# Altium PCB PCB.PcbDoc (part 1 of 2)
Units mil, origin at the board's own origin, x right, y up, seen from the top; angles counter-clockwise.
Board outline 3079.44 x 3937.01 mil, 2 copper layers (Top Layer, Bottom Layer); 104 components, 94 nets, 410 pads, 306 vias.
Unrouted connection lines stored in the file: 149.
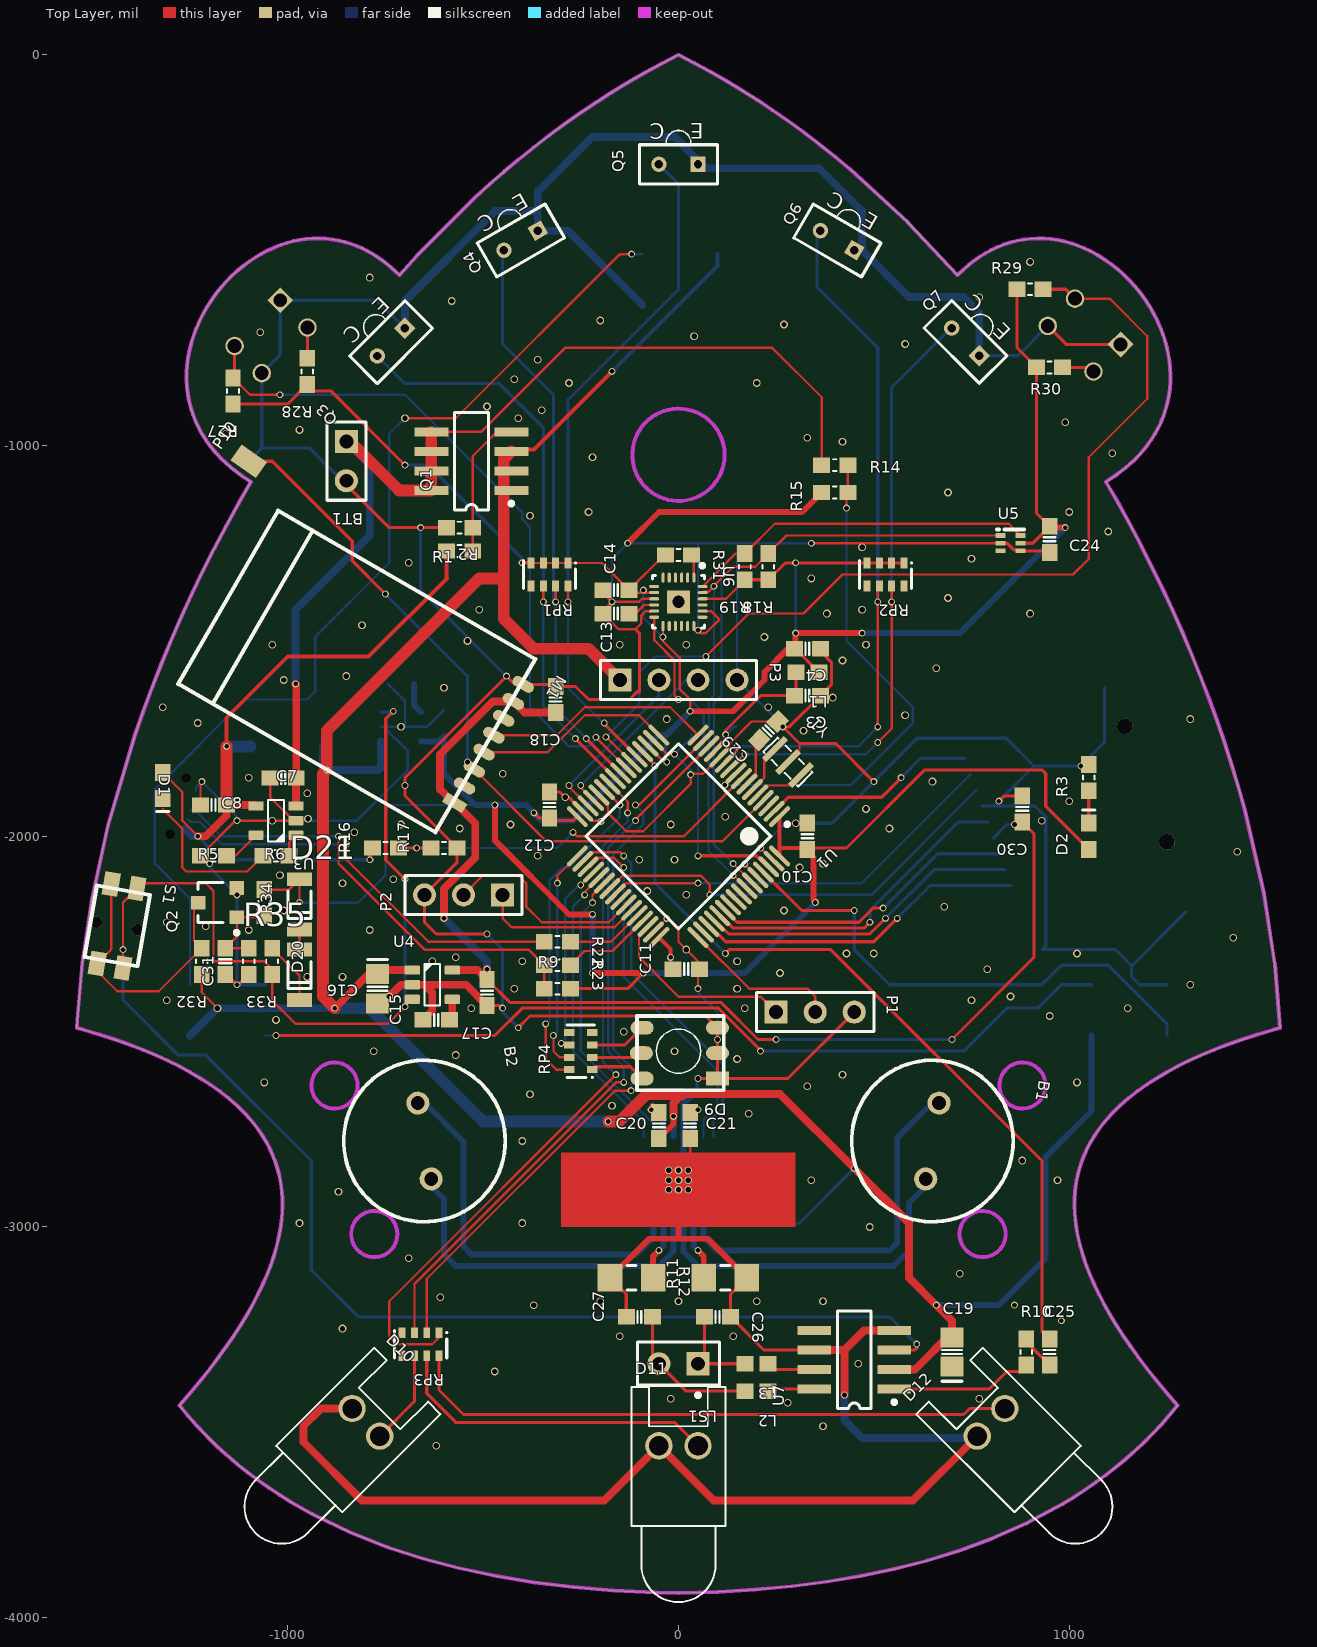
[diagram p0: Top Layer view]
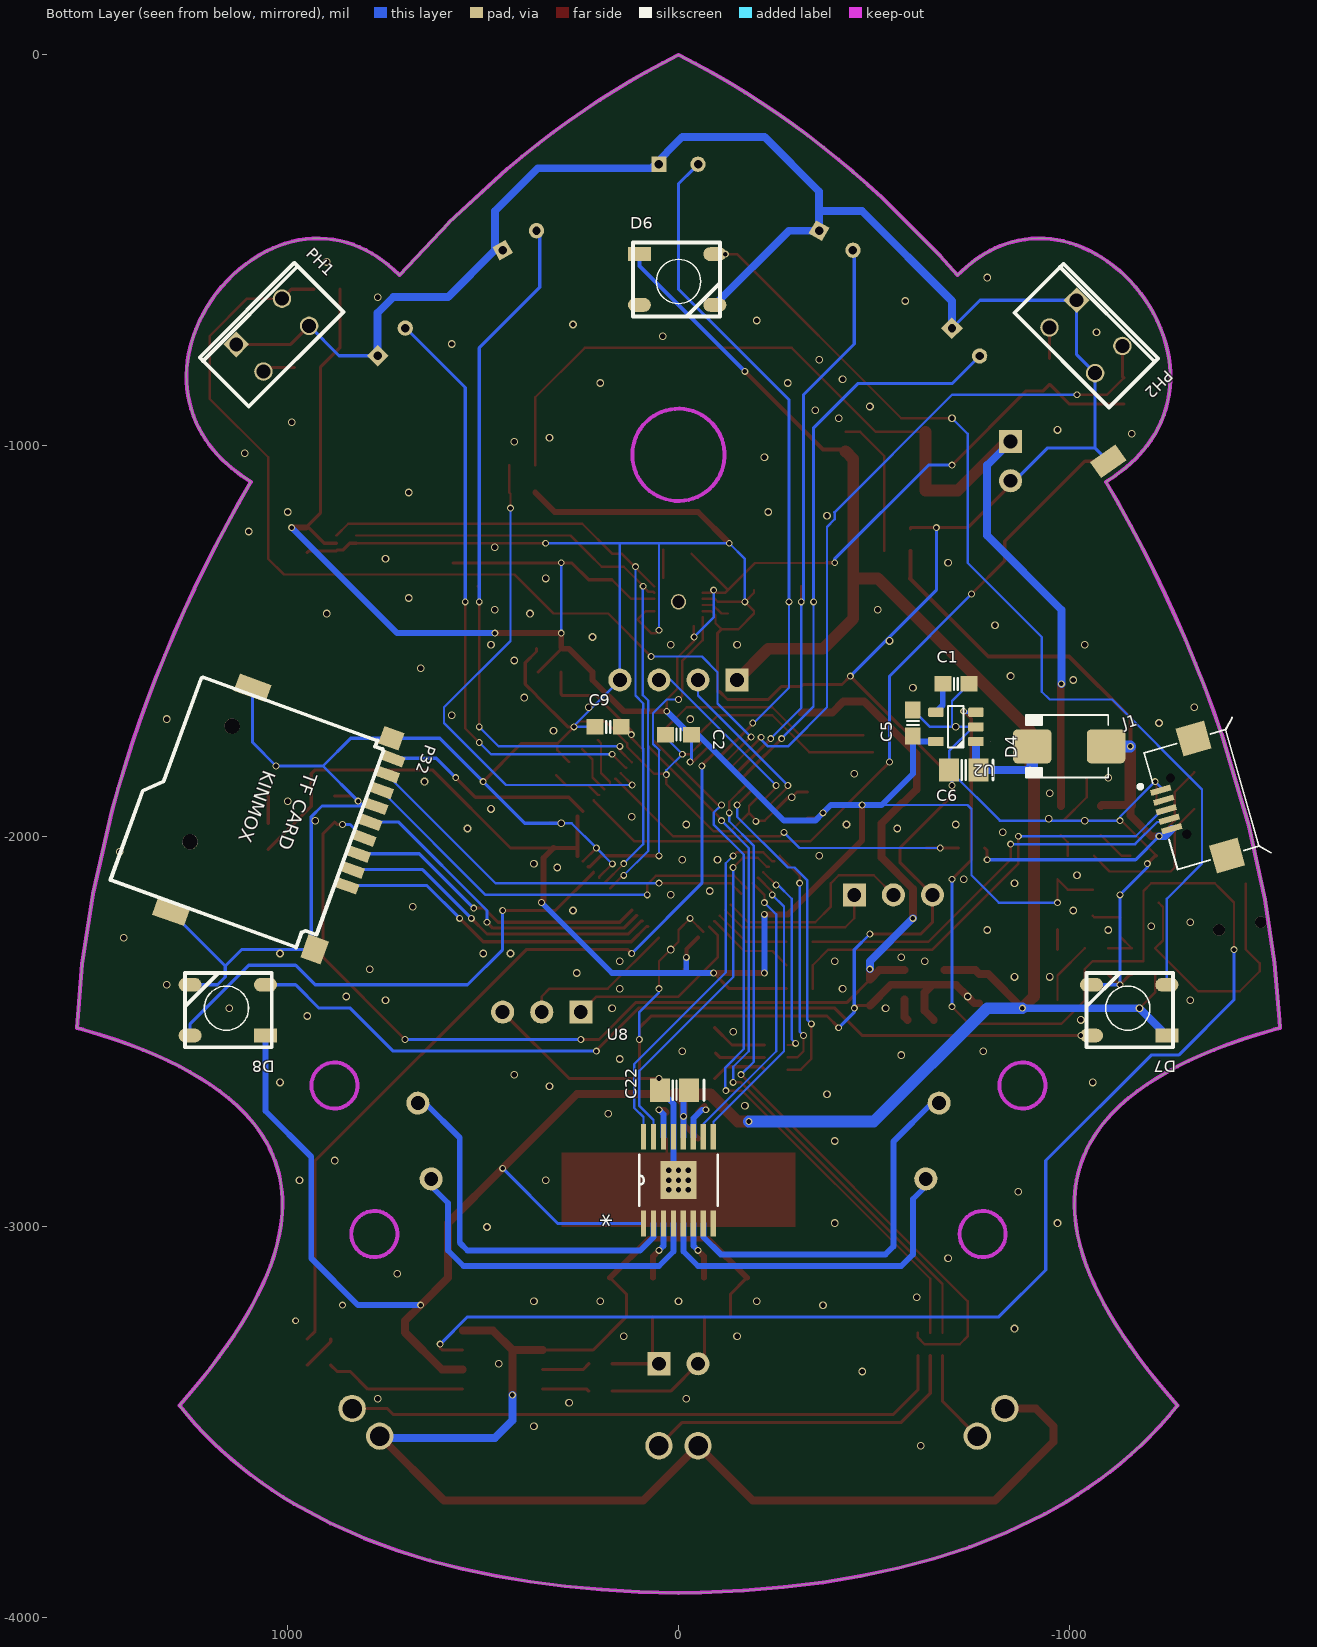
[diagram p1: Bottom Layer view, seen from below]
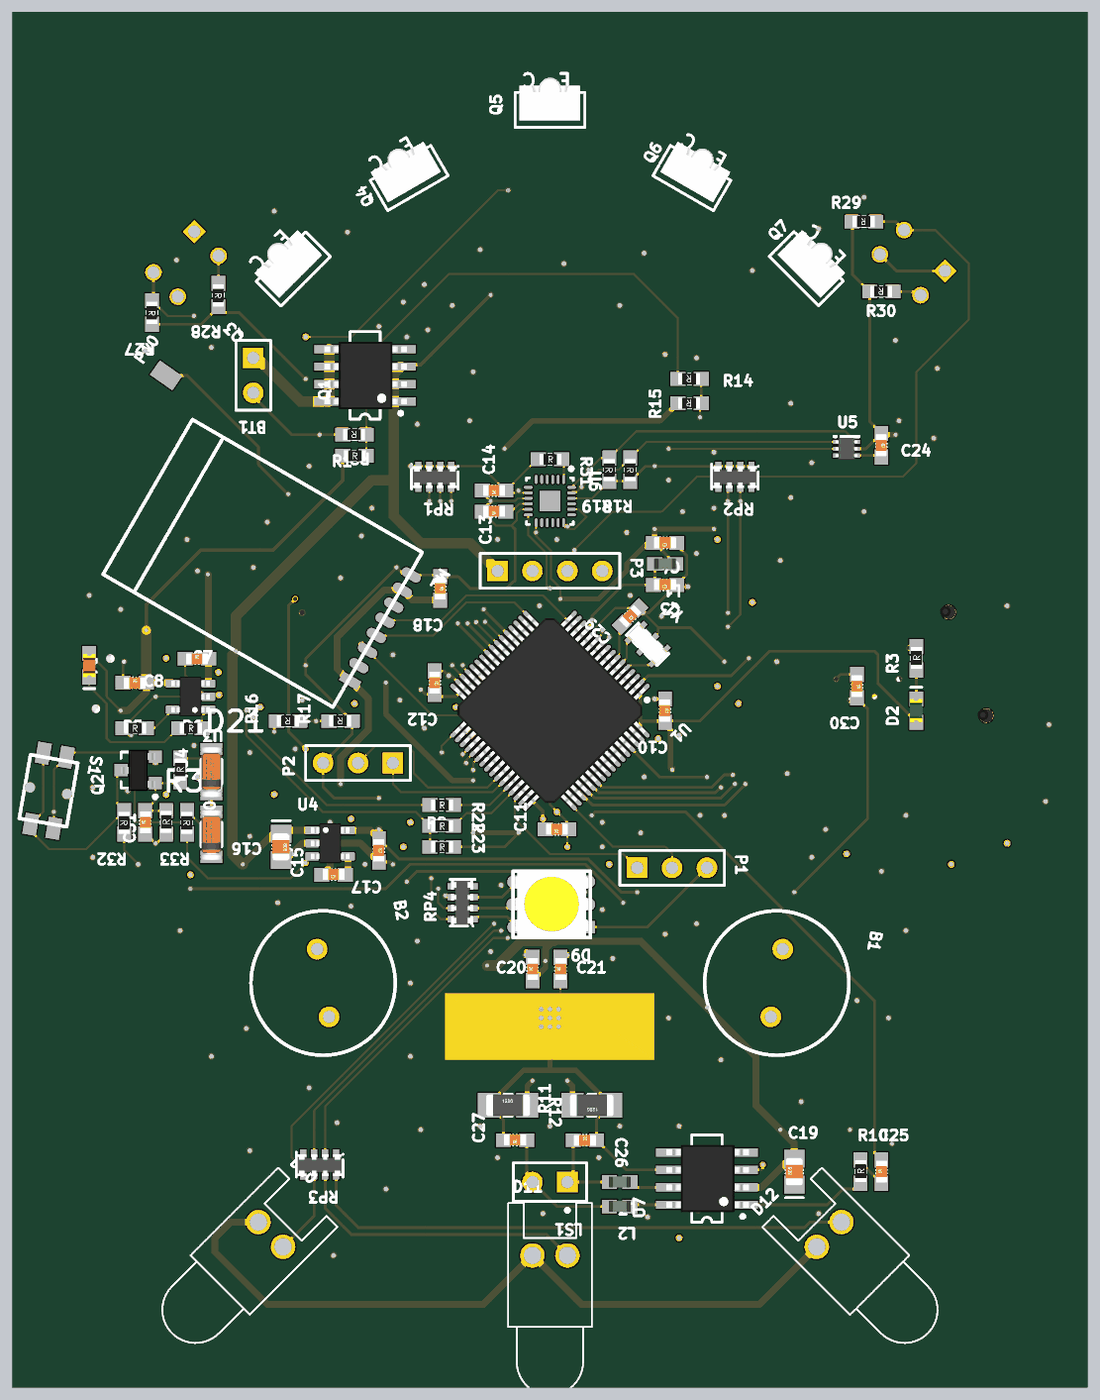
[diagram p3: 3D render of the assembled board from above, using the file's embedded part models]
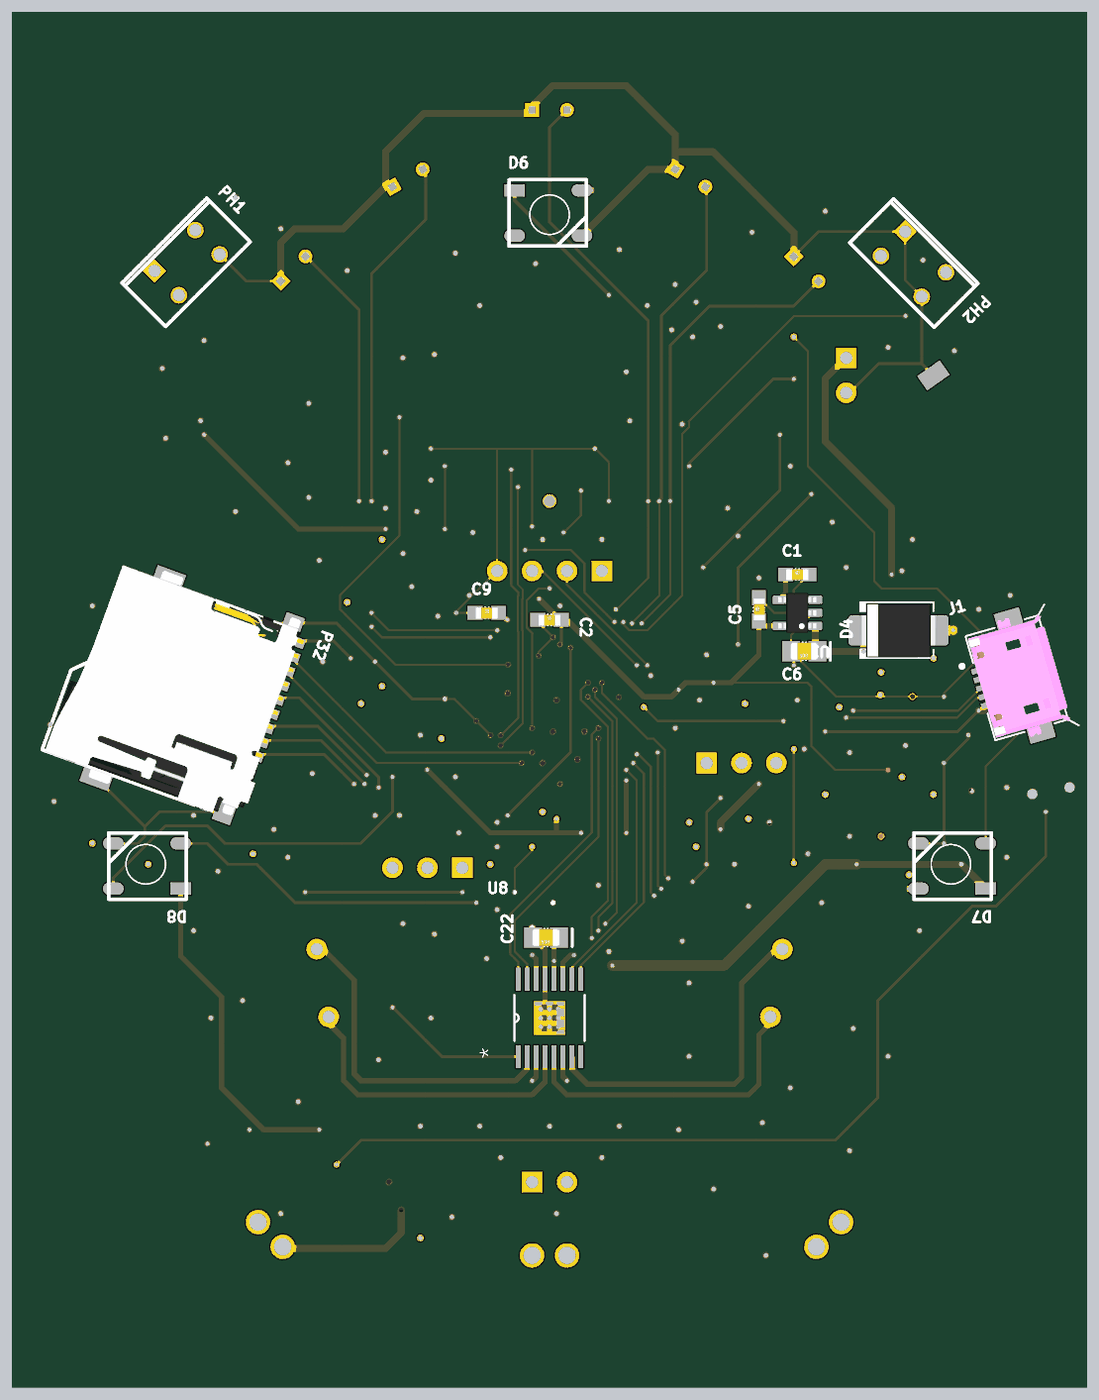
[diagram p4: 3D render of the assembled board from below, using the file's embedded part models]

## Layer stack, top to bottom
Top Solder: solder mask 0.4, Solder Resist, Dk 3.5
Top Layer: signal copper 1.4
Dielectric 1: dielectric 12.6, FR-4, Dk 4.8
Bottom Layer: signal copper 1.4
Bottom Solder: solder mask 0.4, Solder Resist, Dk 3.5

## Board outline
-1277.52,-3456.64 -1247.84,-3422.45 -1222.18,-3391.58 -1198.01,-3361.17 -1176.32,-3332.56 -1155.99,-3304.37 -1137.01,-3276.59 -1119.39,-3249.23 -1103.87,-3223.56 -1089.58,-3198.26 -1076.51,-3173.33 -1064.68,-3148.78 -1053.57,-3123.41 -1043.82,-3098.46 -1035.42,-3073.92 -1028.08,-3048.65 -1021.99,-3022.72 -1017.22,-2995.1 -1014.15,-2964.86 ccw(c-1374.18,-2942.1) -1013.7,-2928.1 ccw(c-1338.06,-2940.37) -1022.62,-2863.86 ccw(c-1332.84,-2940.15) -1063.94,-2767.67 ccw(c-1372.7,-2964.4) -1086.65,-2735.9 -1108.16,-2711.08 -1129.87,-2689.47 -1151.98,-2670.07 -1175.01,-2651.99 -1198.74,-2635.18 -1224.09,-2618.87 -1249.86,-2603.73 -1277.12,-2589.04 -1305.86,-2574.81 -1337.51,-2560.42 -1370.77,-2546.53 -1405.66,-2533.13 -1442.18,-2520.23 -1482.02,-2507.3 -1523.62,-2494.9 -1539.68,-2490.4 -1538.7,-2470.99 -1525.93,-2324.19 -1501.34,-2161.52 -1460.49,-1974.9 -1390.79,-1739.85 cw(c1957.01,-2883.04) -1094.24,-1092.92 -1118.41,-1076.94 -1144.63,-1056.78 cw(c-905.28,-769.66) -1170.6,-1032.96 cw(c-932.67,-796.69) -1198.19,-1001.47 cw(c-971.6,-824.56) -1255.67,-868.65 cw(c-960.61,-824) -1257.57,-794.52 cw(c-928.51,-826.96) -1246.71,-737.03 cw(c-874.05,-845.42) -1127.2,-551.25 cw(c-888.95,-826.53) -1067.58,-509.3 cw(c-907.85,-793.25) -1017.14,-486.34 cw(c-923.85,-738.84) -823.27,-489.15 cw(c-932.23,-757.57) -785.45,-507.81 cw(c-947.23,-783.37) -758.27,-525.69 -735.49,-543.89 -714.1,-563.93 -669.05,-513.94 -520.53,-364.87 cw(c1126.04,-2138.04) -331.81,-206.72 cw(c972.29,-1931.19) 0.04,-0.08 cw(c-956.14,-1902.93) 239.9,-140.94 cw(c-1059.14,-2054.48) 438.68,-292.18 587.93,-429.56 714.18,-563.93 729.69,-549.1 cw(c971.35,-815.66) 754.35,-528.66 cw(c948.89,-785.82) 784.52,-508.41 cw(c923.03,-736.81) 953.93,-471.48 cw(c920.2,-756.96) 1007.55,-483.09 cw(c911.19,-785.55) 1053.06,-501.58 cw(c875.95,-845.02) 1234.61,-701.2 cw(c910.91,-831.13) 1253.69,-766.6 cw(c969.13,-823.4) 1219.23,-970.55 cw(c952.65,-812.49) 1191.51,-1009.96 cw(c927.48,-791.9) 1167.06,-1036.56 1143.67,-1057.64 1119.64,-1076.12 1094.31,-1092.92 cw(c-1980.19,-2894.87) 1359.18,-1650.62 cw(c-1652.89,-2770.86) 1450.14,-1934.95 1498.77,-2147.3 1526.34,-2327.01 1539.76,-2490.4 1523.7,-2494.9 1482.1,-2507.3 1442.26,-2520.23 1405.74,-2533.13 1370.85,-2546.53 1337.58,-2560.42 1305.94,-2574.81 1277.2,-2589.04 1249.94,-2603.73 1224.17,-2618.87 1198.81,-2635.18 1175.08,-2651.99 1152.06,-2670.07 1129.95,-2689.47 1108.23,-2711.08 1086.73,-2735.9 ccw(c1372.78,-2964.4) 1064.02,-2767.67 ccw(c1332.92,-2940.15) 1022.69,-2863.86 ccw(c1338.14,-2940.37) 1013.78,-2928.1 ccw(c1374.25,-2942.1) 1014.23,-2964.86 1017.29,-2995.1 1022.07,-3022.72 1028.16,-3048.65 1035.5,-3073.92 1043.9,-3098.46 1053.65,-3123.41 1064.75,-3148.78 1076.59,-3173.33 1089.65,-3198.26 1103.95,-3223.56 1119.47,-3249.23 1137.09,-3276.59 1156.07,-3304.37 1176.4,-3332.56 1198.08,-3361.17 1222.26,-3391.58 1247.91,-3422.45 1277.6,-3456.64 cw(c461.58,-2798.82) 1094.09,-3634.61 cw(c396.57,-2714.79) 983.79,-3708.66 890.61,-3758.65 803.85,-3797.1 719.88,-3828.17 636.08,-3854.06 551.81,-3875.63 466.11,-3893.56 379.35,-3908.07 290.18,-3919.57 196.97,-3928.3 101.5,-3934.09 0.04,-3937.09 -57.91,-3935.75 -166.12,-3930.5 -269.36,-3921.79 -369.38,-3909.51 -466.03,-3893.56 -560.66,-3873.54 -652.87,-3849.22 -744.91,-3819.45 -838.28,-3782.64 -937.08,-3734.92 cw(c-369.69,-2672.72) -1048.07,-3667.71 cw(c-453.79,-2791.43)

## Design rules (kind name [scope] priority, off if disabled: settings)
Clearance [(InNet('GND') AND InPolygon)] p1: gap=15
Clearance Clearance_1 [All] p2: gap=7
ComponentClearance [All] p1: gap=0 collisioncheckmode=3 verticalgap=0 showdistances=FALSE
DiffPairsRouting [All] p1: maxlimit=10 minlimit=6 mostfreqgap=6 toplayer_minwidth=6 toplayer_maxwidth=15 toplayer_prefwidth=6 bottomlayer_minwidth=6 bottomlayer_maxwidth=15 bottomlayer_prefwidth=6 maxuncoupledlength=500
PolygonConnect PolygonConnect_1 [IsPolygon vs IsVia] p1: connectstyle=Direct reliefconductorwidth=10 reliefentries=4 polygonreliefangle="90 Angle" airgapwidth=10
PolygonConnect [All] p2: connectstyle=Relief reliefconductorwidth=10 reliefentries=4 polygonreliefangle="90 Angle" airgapwidth=10
RoutingVias [All] p1: holewidth=13.78 width=17.72 viastyle="Through Hole" minholewidth=11.81 minwidth=17.72 maxholewidth=28 maxwidth=50
SolderMaskExpansion [All] p1: expansion=4
Width [All] p1: maxlimit=30 minlimit=6 preferedwidth=8
27 further rules are at their usual default settings.

## Classes and differential pairs
component class sch_mcu: C29 C30 J1 P1 P2 P3 P32 R9 R14 R15 R16 R17 R18 R19 R22 R23 U1 Y1
component class sch_output: B1 B2 C19 C20 C21 C22 C25 C26 C27 D6 D7 D8 D9 L2 L3 LS1 R10 R11 R12 RP4 U7 U8
component class sch_power: BT1 C1 C2 C3 C4 C5 C6 C7 C8 C9 C10 C11 C12 C15 C16 C17 C31 D1 D2 D4 D20 D21 L1 Q1 Q2 R1 R2 R3 R5 R6 R32 R33 R34 R35 S1 U2 U3 U4
component class sch_sensor: C13 C14 C18 C24 D10 D11 D12 M1 P10 PH1 PH2 Q3 Q4 Q5 Q6 Q7 R27 R28 R29 R30 R31 RP1 RP2 RP3 U5 U6
differential pair USB: +USB_P -USB_N

## Components (designator, comment, footprint, x,y, rotation, side; value= is the part's Value field where it differs from the comment)
B1 "Motor" RB5-10.5 650,-2780 r260 top
B2 "Motor" RB5-10.5 -650,-2780 r280 top
BT1 "Li-Ion" HDR1X2 -850,-990 r270 top
C1 "Cap Semi" C-1608[0603] -710,-1610 r180 bottom
C2 "Cap Semi" C-1608[0603] 0,-1740 r180 bottom
C3 "Cap Semi" C-1608[0603] 330,-1640 r180 top
C4 "Cap Semi" C-1608[0603] 330,-1520 r180 top
C5 "Cap Semi" C-1608[0603] -600,-1710 r90 bottom
C6 "Cap Semi" C-2012[0805] -730,-1830 r0 bottom
C7 "Cap Semi" C-1608[0603] -1011.67,-1850.99 r0 top
C8 "Cap Semi" C-1608[0603] -1190,-1920 r0 top
C9 "Cap Semi" C-1608[0603] 180,-1720 r180 bottom
C10 "Cap Semi" C-1608[0603] 330,-2000 r270 top
C11 "Cap Semi" C-1608[0603] 20,-2340 r180 top
C12 "Cap Semi" C-1608[0603] -330,-1920 r270 top
C13 "Cap Semi" C-1608[0603] -160,-1430 r180 top
C14 "Cap Semi" C-1608[0603] -160,-1370 r180 top
C15 "Cap Semi" C-1608[0603] -620,-2470 r180 top
C16 "Cap Semi" C-2012[0805] -770,-2390 r270 top
C17 "Cap Semi" C-1608[0603] -490,-2400 r270 top
C18 "Cap Semi" C-1608[0603] -314.25,-1650 r270 top
C19 "Cap Semi" C-2012[0805] 700,-3320 r90 top
C20 "Cap Semi" C-1608[0603] -50,-2740 r90 top
C21 "Cap Semi" C-1608[0603] 30,-2740 r90 top
C22 "Cap Semi" C-2012[0805] 10,-2650 r0 bottom
C24 "Cap Semi" C-1608[0603] 950,-1240 r270 top
C25 "Cap Semi" C-1608[0603] 950,-3320 r90 top
C26 "Cap Semi" C-1608[0603] 100,-3230 r0 top
C27 "Cap Semi" C-1608[0603] -100,-3230 r180 top
C29 "Cap Semi" C-1608[0603] 230,-1730 r225 top
C30 "Cap Semi" C-1608[0603] 880,-1930 r270 top
C31 "Cap Semi" C-1608[0603] -1160,-2320 r90 top
D1 "Charge" LED-1608[0603]-R -1320,-1870 r270 top
D2 "Power" LED-1608[0603]-G 1050,-2000 r90 top
D4 "SS54" DO-214AA -1000,-1770 r0 bottom
D6 "WS2812B" LED-5050-4 100,-510 r180 bottom
D7 "WS2812B" LED-5050-4 -1250,-2510 r0 bottom
D8 "WS2812B" LED-5050-4 1057.09,-2509.92 r0 bottom
D9 "RGB-LED" LED-5050-6 100,-2620 r180 top
D10 "IR Emit" LED-0 -800,-3500 r315 top
D11 "IR Emit" LED-0 0,-3560 r0 top
D12 "IR Emit" LED-0 800,-3500 r45 top
D20 "1N4148" SOD80C -970,-2350 r90 top
D21 "1N4148" SOD80C -970,-2170 r90 top
J1 "USB Micro Type B" "MICRO USB 3D" -1263,-1981 r164 bottom
L1 "Inductor" L-1608[0603] 330,-1580 r180 top
L2 "Inductor" L-1608[0603] 200,-3420 r180 top
L3 "Inductor" L-1608[0603] 200,-3350 r180 top
LS1 "Speaker" PIN2 50,-3350 r180 top
M1 "ESP8266-ESP11" ESP8266-ESP11 -1280,-1610 r330 top
P1 "SWD" HDR1X3 250,-2450 r0 top
P2 "UART1" HDR1X3 -450,-2150 r180 top
P3 "ExpPort" HDR1X4 -150,-1600 r0 top
P10 "ESP_Prog" EDGE_1 -1100,-1040 r145 top
P32 "TF Card" "MicroSD auto" 1090,-1620 r290 bottom
PH1 "Optoisolator1" RPR359F 1100,-900 r135 bottom
PH2 "Optoisolator1" RPR359F -860,-660 r225 bottom
Q1 "AO4409" SOP8-MOS -530,-1040 r90 top
Q2 "SI2302" SOT23B -1180,-2170 r90 top
Q3 "IR_Photo_NPN" PHOTO_NPN -700,-700 r225 top
Q4 "IR_Photo_NPN" PHOTO_NPN -360,-450 r210 top
Q5 "IR_Photo_NPN" PHOTO_NPN 50,-280 r180 top
Q6 "IR_Photo_NPN" PHOTO_NPN 450,-500 r150 top
Q7 "IR_Photo_NPN" PHOTO_NPN 770,-770 r135 top
R1 "Res Semi" R-1608[0603] -560,-1270 r0 top
R2 "Res Semi" R-1608[0603] -560,-1210 r180 top
R3 "Res Semi" R-1608[0603] 1050,-1850 r90 top
R5 "Res Semi" R-1608[0603] -1190,-2050 r0 top
R6 "Res Semi" R-1608[0603] -1030,-2050 r0 top
R9 "Res Semi" R-1608[0603] -310,-2390 r0 top
R10 "Res Semi" R-1608[0603] 890,-3320 r90 top
R11 "Res Semi" R-3216[1206] 120,-3130 r180 top
R12 "Res Semi" R-3216[1206] -120,-3130 r0 top
R14 "Res Semi" R-1608[0603] 400,-1050 r180 top
R15 "Res Semi" R-1608[0603] 400,-1120 r180 top
R16 "Res Semi" R-1608[0603] -750,-2030 r180 top
R17 "Res Semi" R-1608[0603] -600,-2030 r180 top
R18 "Res Semi" R-1608[0603] 230,-1310 r270 top
R19 "Res Semi" R-1608[0603] 170,-1310 r270 top
R22 "Res Semi" R-1608[0603] -310,-2270 r0 top
R23 "Res Semi" R-1608[0603] -310,-2330 r0 top
R27 "Res Semi" R-1608[0603] -1140,-860 r270 top
R28 "Res Semi" R-1608[0603] -950,-810 r270 top
R29 "Res Semi" R-1608[0603] 900,-600 r180 top
R30 "Res Semi" R-1608[0603] 950,-800 r180 top
R31 "Res Semi" R-1608[0603] 0,-1280 r0 top
R32 "Res Semi" R-1608[0603] -1220,-2320 r270 top
R33 "Res Semi" R-1608[0603] -1040,-2320 r270 top
R34 "Res Semi" R-1608[0603] -1060,-2170 r90 top
R35 "Res Semi" R-1608[0603] -1100,-2320 r90 top
RP1 "300" R0603x4 -330,-1330 r180 top
RP2 "300" R0603x4 530,-1330 r180 top
RP3 "200" R0603x4 -660,-3300 r180 top
RP4 "200" R0603x4 -250,-2550 r90 top
S1 "Power" TS-015 -1490,-2220 r260 top locked
U1 "STM32F103RCT6" TQFP64_N-3D 0,-2000 r225 top
U2 "MIC5205-2.5" SOT23-5 -710,-1720 r0 bottom
U3 "MCP73831" SOT23-5 -1030,-1960 r180 top
U4 "MIC5219-3.3" SOT23-5 -630,-2380 r0 top
U5 "TMP102_DRL_6" DRL6 850,-1250 r0 top
U6 "MPU-9250" MPU9250 0,-1400 r270 top locked
U7 "PAM8302" SOP8-3D 450,-3340 r90 top
U8 "DRV8833_PWP_16" PWP16_2P31X2P46 0,-2880 r90 bottom locked
Y1 "8M" Crystal_C 280,-1810 r135 top

## Footprints (in the part's own frame and the unit in brackets; to place one, negate y for a bottom-side part, rotate by r counter-clockwise, add the part's x,y. Pads: shape width x height; smd on the part's side, far side on the other; paste and mask are expansions set on the pad)
C-1608[0603] [mm] "Chip Capacitor; Body 1.6 x 0.8 mm (LxW typ)"
  rect 1.1x1 smd: 1(-0.85,0) 2(0.85,0)
  silkscreen extent -0.13,-0.38 0.13,0.38, body extent -0.8,-0.42 0.8,0.38, height 0.29
C-2012[0805] [mm] "Chip Capacitor; Body 2.0 x 1.2 mm (LxW typ)"
  rect 1.3x1.5 smd: 1(-0.95,0) 2(0.95,0)
  silkscreen extent -1.9,-0.65 0.13,0.65, body extent -1,-0.64 1,0.62, height 0.78
Crystal_C [mm] "含电容晶振，村田 3."
  rect 0.4x2 smd: 1(-1.2,0) 2(0,0) 3(1.2,0)
  silkscreen extent -1.6,-0.65 1.6,0.65, body extent -1.6,-0.63 1.6,0.67, height 0.7
DO-214AA [mm] "JEDEC DO214 variation AA. SMB"
  round 0.508 on Mech15: 0(0,0)
  rrect25% 2.5x2.2 smd: 1(-2.4,0) 2(2.4,0)
  silkscreen extent -2.54,-2.03 2.79,2.03, body extent -2.8,-1.97 2.8,1.98, height 2.62
DRL6 [mm]
  rect 0.654x0.301 smd: 1(-0.65,0.5) 2(-0.65,0) 3(-0.65,-0.5) 4(0.65,-0.5) 5(0.65,0) 6(0.65,0.5)
  silkscreen extent -0.89,0.89 0.89,0.89, body extent -0.8,-0.8 0.8,0.8, height 0.6
EDGE_1 [mm]
  rect 2x1.27 smd: 1(0,0)
  rect 2x1.27 smd far side: 2(0,0)
ESP8266-ESP11 [mil]
  rect 59.06x27.56 smd: 1(765,90)
  oval 59.06x27.56 smd: 2(765,140) 3(765,190) 4(765,240) 5(765,290) 6(765,340) 7(765,390) 8(765,440)
  silkscreen extent -1,0 760,512
HDR1X2 [mm] "Connector; Header; 2 Position"
  rect 1.5x1.5 hole 0.9: 1(0,0)
  round 1.5 hole 0.9: 2(2.54,0)
  silkscreen extent -1.27,-1.27 3.81,1.27
HDR1X3 [mm] "Connector; Header; 3 Position"
  rect 1.5x1.5 hole 0.9: 1(0,0)
  round 1.5 hole 0.9: 2(2.54,0) 3(5.08,0)
  silkscreen extent -1.27,-1.27 6.35,1.27
HDR1X4 [mm] "Connector; Header; 4 Position"
  rect 1.5x1.5 hole 0.9: 1(0,0)
  round 1.5 hole 0.9: 2(2.54,0) 3(5.08,0) 4(7.62,0)
  silkscreen extent -1.27,-1.27 8.89,1.27
L-1608[0603] [mm] "Chip Inductor, Body 1.6x0.8mm, IPC Medium Density"
  rect 1.1x1 smd: 1(-0.75,0) 2(0.75,0)
  body extent -0.8,-0.41 0.8,0.39, height 0.45
LED-0 [mil] "LED; 2 Leads"
  round 70 hole 50: 1(50,0) 2(-50,0)
  silkscreen extent -120,-400 120,150
LED-1608[0603]-G [mm] "Chip Diode; Body 1.6 x 0.8 mm (LxW typ)"
  rect 1.1x1 smd: 1(-0.85,0) 2(0.85,0)
  silkscreen extent 1.7,-0.4 1.7,0.4, body extent -0.85,-0.44 0.85,0.46, height 0.9
LED-1608[0603]-R [mm] "Chip Diode; Body 1.6 x 0.8 mm (LxW typ)"
  rect 1.1x1 smd: 1(-0.85,0) 2(0.85,0)
  silkscreen extent 1.7,-0.4 1.7,0.4, body extent -0.82,-0.44 0.88,0.46, height 0.9
LED-5050-4 [mm]
  rect 1.5x0.9 smd: 1(0,0)
  oval 1.5x0.9 smd: 2(0,-3.3) 3(4.9,-3.3) 4(4.9,0)
  silkscreen extent -0.41,-4.06 5.23,0.76
LED-5050-6 [mm]
  rect 1.5x0.9 smd: 1(0,0)
  oval 1.5x0.9 smd: 2(0,-1.649) 3(0,-3.3) 4(4.9,-3.3) 5(4.953,-1.649) 6(4.9,0)
  silkscreen extent -0.41,-4.06 5.23,0.76, body extent -0.23,-4.18 5.07,0.82, height 1.6
"MICRO USB 3D" [mm]
  rect 1.35x0.4 smd: 1(0,0) 2(0,0.65) 3(0,1.3) 4(0,1.95) 5(0,2.6)
  round 0 hole 0.6: HOLE(0.827,3.2) HOLE(0.827,-0.6)
  rect 1.9x1.9 smd: ""(2.977,-2.65) ""(2.977,5.25)
  silkscreen extent -1.35,-3.27 5.76,5.87, body extent -0.29,-3.13 5.33,5.67, height 2.79
"MicroSD auto" [mm] "TF 自弹"
  rect 0.7x1.6 smd: 1(10,10.1) 2(8.9,10.1) 3(7.8,10.1) 4(6.7,10.1) 5(5.6,10.1) 6(4.5,10.1) 7(3.4,10.1) 8(2.3,10.1) 9(1.2,10.1)
  rect 1.2x1.4 smd: 10(0,9.6)
  rect 1.2x2.2 smd: 10(0,0) 10(15.5,0)
  rect 1.6x1.4 smd: 10(14.6,9.6)
  round 1 hole 1: ""(2.8,-0.4) ""(10.8,-0.4)
  silkscreen extent 0.46,-4.42 14.9,9.4, body extent -0.38,-4.19 15.62,11.06, height 1.85
MPU9250 [mm] "QFN, 24-Leads, Body 3.00x3.00mm, Pitch 0.40mm, Thermal Pad 1.50x1.70mm, IPC Medium Density"
  oval 0.65x0.2 smd: 1(-1.575,1) 2(-1.575,0.6) 3(-1.575,0.2) 4(-1.575,-0.2) 5(-1.575,-0.6) 6(-1.575,-1) 13(1.575,-1) 14(1.575,-0.6) 15(1.575,-0.2) 16(1.575,0.2) 17(1.575,0.6) 18(1.575,1)
  oval 0.2x0.65 smd: 7(-1,-1.575) 8(-0.6,-1.575) 9(-0.2,-1.575) 10(0.2,-1.575) 11(0.6,-1.575) 12(1,-1.575) 19(1,1.575) 20(0.6,1.575) 21(0.2,1.575) 22(-0.2,1.575) 23(-0.6,1.575) 24(-1,1.575)
  round 1 hole 0.8: 25(0,0)
  rect 1.5x1.5 smd: 25(0,0)
  silkscreen extent -2.47,-1.7 1.7,1.7, body extent -1.55,-1.55 1.55,1.55, height 1.05
PHOTO_NPN [mm]
  rect 1x1 hole 0.55: 1(0,0)
  round 1 hole 0.55: 2(2.54,0)
  silkscreen extent -1.27,-2.19 3.81,1.27, body extent -0.95,-2.35 3.49,0.76, height 8.54
PIN2 [mm] "Photosensitive Diode; 2 Leads"
  rect 1.5x1.5 hole 0.9: 1(0,0)
  round 1.5 hole 0.9: 2(2.54,0)
  silkscreen extent -1.4,-1.4 3.94,2.17
PWP16_2P31X2P46 [mil]
  rect 66x14 smd: 1(-111,89.57) 2(-111,63.98) 3(-111,38.39) 4(-111,12.8) 5(-111,-12.8) 6(-111,-38.39) 7(-111,-63.98) 8(-111,-89.57) 9(111,-89.57) 10(111,-63.98) 11(111,-38.39) 12(111,-12.8) 13(111,12.8) 14(111,38.39) 15(111,63.98) 16(111,89.57)
  rect 96.85x90.94 smd paste-47.93 mask-48: EPAD(0,0)
  silkscreen extent -66,-100 66,100
R0603x4 [mm] "Chip Resistor Array, (0603x4); SM; 8 Leads; Body 3.40 x 1.80 mm (LxW max)"
  rect 0.45x0.7 smd: 1(-1.2,-0.75) 2(-0.4,-0.75) 3(0.4,-0.75) 4(1.2,-0.75) 5(1.2,0.75) 6(0.4,0.75) 7(-0.4,0.75) 8(-1.2,0.75)
  silkscreen extent -1.75,-0.9 1.7,0.9, body extent -1.6,-0.76 1.6,0.84, height 0.65
R-1608[0603] [mm] "Chip Resistor; Body 1.6 x 0.8 mm (LxW typ)"
  rect 1.1x1 smd: 1(-0.85,0) 2(0.85,0)
  silkscreen extent -0.13,-0.38 0.13,0.38, body extent -1.27,-0.51 1.33,0.49, height 0.48
R-3216[1206] [mm] "Chip Resistor; Body 3.2 x 1.6 mm (LxW typ)"
  rect 1.6x1.8 smd: 1(-1.4,0) 2(1.4,0)
  silkscreen extent -0.3,-0.8 0.3,0.8, body extent -1.6,-0.8 1.6,0.8, height 1
RB5-10.5 [mm] "Capacitor (Radial); 2 Leads"
  round 1.5 hole 0.9: 1(-2.5,0) 2(2.5,0)
  silkscreen extent -5.25,-5.25 5.25,5.25
RPR359F [mm]
  round 1.2 hole 0.9: 1(2.286,0.929) 3(6.486,0.929) 4(6.486,3.429)
  rect 1.2x1.2 hole 0.9: 2(2.286,3.429)
  silkscreen extent 0,0 8.7,4.5
SOD80C [mm]
  rect 0.9x1.6 smd: 1(1.524,0) 2(-1.75,0)
  silkscreen extent -1.02,-0.75 0.76,0.75, body extent -2.01,-0.8 1.69,0.8, height 1.6
SOP8-3D [mm] "Small Outline; 8 Leads; Body Width 4.3 mm; Pitch 1.27 mm"
  rect 0.6x2.2 smd: 1(-1.905,-2.6) 2(-0.635,-2.6) 3(0.635,-2.6) 4(1.905,-2.6) 5(1.905,2.6) 6(0.635,2.6) 7(-0.635,2.6) 8(-1.905,2.6)
  silkscreen extent -3.17,-2.72 3.17,1.1, body extent -2.45,-3.05 2.45,2.95, height 1.75
SOP8-MOS [mm] "Small Outline; 8 Leads; Body Width 4.3 mm; Pitch 1.27 mm"
  rect 0.6x2.2 smd: D(-1.905,2.6) D(-0.635,2.6) D(0.635,2.6) D(1.905,2.6) G(1.905,-2.6) S(-1.905,-2.6) S(-0.635,-2.6) S(0.635,-2.6)
  silkscreen extent -3.17,-2.72 3.17,1.1, body extent -2.45,-3.05 2.45,2.95, height 1.75
SOT23-5 [mm]
  round 0.5 on Mech15: 0(0,0)
  rrect25% 1x0.6 smd: 1(-1.3,0.95) 2(-1.3,0) 3(-1.3,-0.95) 4(1.3,-0.95) 5(1.3,0.95)
  silkscreen extent -0.51,-1.35 0.51,1.35, body extent -1.4,-1.45 1.4,1.45, height 1.44
SOT23B [mm] "SOT-23; 3 Leads; Body 3.0 x 2.6 mm, inc. leads (LxW max)"
  rect 0.9x0.95 smd: 1(-0.95,-1.25) 2(0.95,-1.25) 3(0,1.25)
  silkscreen extent -2.07,-1.38 1.3,1.25, body extent -1.52,-1.27 1.48,1.27, height 1.1
TQFP64_N-3D [mm] "64-Pin Thin Quad Flat Pack 0.5 mm Pitch, IPC Medium Density"
  oval 1.8x0.3 smd: 1(-5.55,3.75) 2(-5.55,3.25) 3(-5.55,2.75) 4(-5.55,2.25) 5(-5.55,1.75) 6(-5.55,1.25) 7(-5.55,0.75) 8(-5.55,0.25) 9(-5.55,-0.25) 10(-5.55,-0.75) 11(-5.55,-1.25) 12(-5.55,-1.75) 13(-5.55,-2.25) 14(-5.55,-2.75) 15(-5.55,-3.25) 16(-5.55,-3.75) 33(5.55,-3.75) 34(5.55,-3.25) 35(5.55,-2.75) 36(5.55,-2.25) 37(5.55,-1.75) 38(5.55,-1.25) 39(5.55,-0.75) 40(5.55,-0.25) 41(5.55,0.25) 42(5.55,0.75) 43(5.55,1.25) 44(5.55,1.75) 45(5.55,2.25) 46(5.55,2.75) 47(5.55,3.25) 48(5.55,3.75)
  oval 0.3x1.8 smd: 17(-3.75,-5.55) 18(-3.25,-5.55) 19(-2.75,-5.55) 20(-2.25,-5.55) 21(-1.75,-5.55) 22(-1.25,-5.55) 23(-0.75,-5.55) 24(-0.25,-5.55) 25(0.25,-5.55) 26(0.75,-5.55) 27(1.25,-5.55) 28(1.75,-5.55) 29(2.25,-5.55) 30(2.75,-5.55) 31(3.25,-5.55) 32(3.75,-5.55) 49(3.75,5.55) 50(3.25,5.55) 51(2.75,5.55) 52(2.25,5.55) 53(1.75,5.55) 54(1.25,5.55) 55(0.75,5.55) 56(0.25,5.55) 57(-0.25,5.55) 58(-0.75,5.55) 59(-1.25,5.55) 60(-1.75,5.55) 61(-2.25,5.55) 62(-2.75,5.55) 63(-3.25,5.55) 64(-3.75,5.55)
  silkscreen extent -5.67,-4.25 4.25,4.57, body extent -6,-6 6,6, height 1.2
TS-015 [mm]
  rect 1.55x1 smd: 1(-2.625,0.525) 1(2.625,0.525) 2(-2.625,2.225) 2(2.625,2.225)
  silkscreen extent -2.35,-0.37 2.35,3.13

## Part data
B1 B2: "Motor, General Kind"
BT1: library part Battery, "Multicell Battery"
C1 C2 C3 C4 C5 C6 C7 C8 C9 C10 C11 C12 C13 C14 C15 C16 C17 C18 C19 C20 C21 C22 C24 C25 C26 C27 C29 C30 C31: "Capacitor (Semiconductor SIM Model)"
D1 D2: library part LED2, "Typical RED, GREEN, YELLOW, AMBER GaAs LED"
D4: library part "D Schottky", "Schottky Diode"
D9: library part RGBLED
D10 D11 D12: library part LED0, "Typical INFRARED GaAs LED"
D20 D21: library part "Diode 1N4148", "High Conductance Fast Diode"
J1: library part USB_Micro_TypeB, "Connector SMD USB Micro Type B middle mount"
LS1: "Loudspeaker"
P1 P2: library part "Header 3", "Header, 3-Pin"
P3: library part "Header 4", "Header, 4-Pin"
P10: library part "Header 2", "Header, 2-Pin"
P32: library part "Header 10", "Header, 10-Pin"
PH1 PH2: "4-Pin Phototransistor Optocoupler"
Q1: library part MOSFET-P, "P-Channel MOSFET"
Q2: "N-Channel MOSFET"
Q3 Q4 Q5 Q6 Q7: "NPN Phototransistor"
R1 R2 R3 R5 R6 R9 R10 R11 R12 R14 R15 R16 R17 R18 R19 R22 R23 R27 R28 R29 R30 R31 R32 R33 R34 R35: "Semiconductor Resistor"
RP1 RP2 RP3 RP4: library part RPACK4
S1: library part SW-PB, "Switch"
U1: library part STM32F103RBT6, "STM32 ARM-based 32-bit MCU High-density"
U2 U4: library part MIC5219, "500mA-Peak Output LDO Regulator"
U3: "Miniature Single-Cell, Fully Integrated Li-Ion, Li-Polymer Charge Management Controllers"
U5 U8: "Imported"
U6: "Integrated 6-axis MotionTracking device"
Y1: library part XTAL_C, "Crystal Oscillator"

## Via types
v1: diameter 19.68, hole 13.78, Top Layer to Bottom Layer, tented both sides, 142 vias
v2: diameter 17.72, hole 11.81, Top Layer to Bottom Layer, tented both sides, 128 vias
v3: diameter 19.68, hole 13.78, Top Layer to Bottom Layer, 26 vias
v4: diameter 17.72, hole 11.81, Top Layer to Bottom Layer, 8 vias
v5: diameter 29.53, hole 29.53, Top Layer to Bottom Layer, tented both sides, 2 vias

## Nets (pads, with @x,y where several pads share a name; then routed paths per layer and width w, separated by ;. In a path a pad name is that pad's centre, name@x,y a point inside that pad or via, vN(x,y) a via of type N, cw(c..) or ccw(c..) an arc to the next point about the centre after c; other vN are vias at no path point)
AVCC: C3.2 C9.2 L1.2 U1.13 | length 374.2
  Top Layer w6: U1.13@91.87,-1782.86 91.87,-1777.51 120.59,-1748.79 v2(120.59,-1740)
  Top Layer w8: v2(120.59,-1740) 120.59,-1729.41 210,-1640 C3.2@296.54,-1640 300.47,-1636.06 L1.2@300.47,-1580
  Bottom Layer w6: v2(120.59,-1740) 140.59,-1720 C9.2@146.54,-1720
BAT_DET: R14.1 R15.1 U1.9 | length 1321
  Top Layer w6: v2(118.62,-1868.63) 118.62,-1867.46 U1.9@147.55,-1838.53 ; v2(430,-1160) 430,-1123.46 R15.1@433.46,-1120 R14.1@433.46,-1050
  Bottom Layer w6: v2(118.62,-1868.63) 441.37,-1868.63 600,-1710 600,-1670 430,-1500 v2(430,-1160)
CTL_A1: U1.34 U8.16 | length 951.6
  Top Layer w6: U1.34@-244.98,-2064.03 -239.64,-2064.03 -216.77,-2041.16 -148.84,-2041.16 v2(-140,-2050)
  Bottom Layer w6: v2(-140,-2050) -121.14,-2068.86 -121.14,-2348.86 113,-2583 113,-2695.38 89.57,-2718.82 U8.16@89.57,-2769
CTL_A2: U1.35 U8.15 | length 914.2
  Top Layer w6: U1.35@-231.06,-2077.95 -225.72,-2077.95 -202.85,-2055.08 -164.92,-2055.08 v2(-140,-2080)
  Bottom Layer w6: v2(-140,-2080) -140,-2360 100,-2600 100,-2690 63.98,-2726.02 U8.15@63.98,-2769
CTL_B1: U1.37 U8.9 | length 765.6
  Top Layer w6: v2(-240,-2150) -240,-2142.56 U1.37@-203.22,-2105.79
  Bottom Layer w6: v2(-240,-2150) -270,-2180 -270,-2550 -89.57,-2730.43 U8.9@-89.57,-2769
CTL_B2: U1.38 U8.10 | length 751.5
  Top Layer w6: v2(-220,-2170) -220,-2150.4 U1.38@-189.3,-2119.71
  Bottom Layer w6: v2(-220,-2170) -250,-2200 -250,-2550 -63.98,-2736.02 U8.10@-63.98,-2769